# Altium PCB LimePSB-RPCM_1v2.PcbDoc (part 7 of 10)
Units mm, origin at the board's own origin, x right, y up, seen from the top; angles counter-clockwise.
Board outline 170 x 110 mm, 6 copper layers (Top, L2, L3, L4, L5, Bottom), stack 1.583 mm thick; 800 components, 483 nets, 3453 pads, 1534 vias.
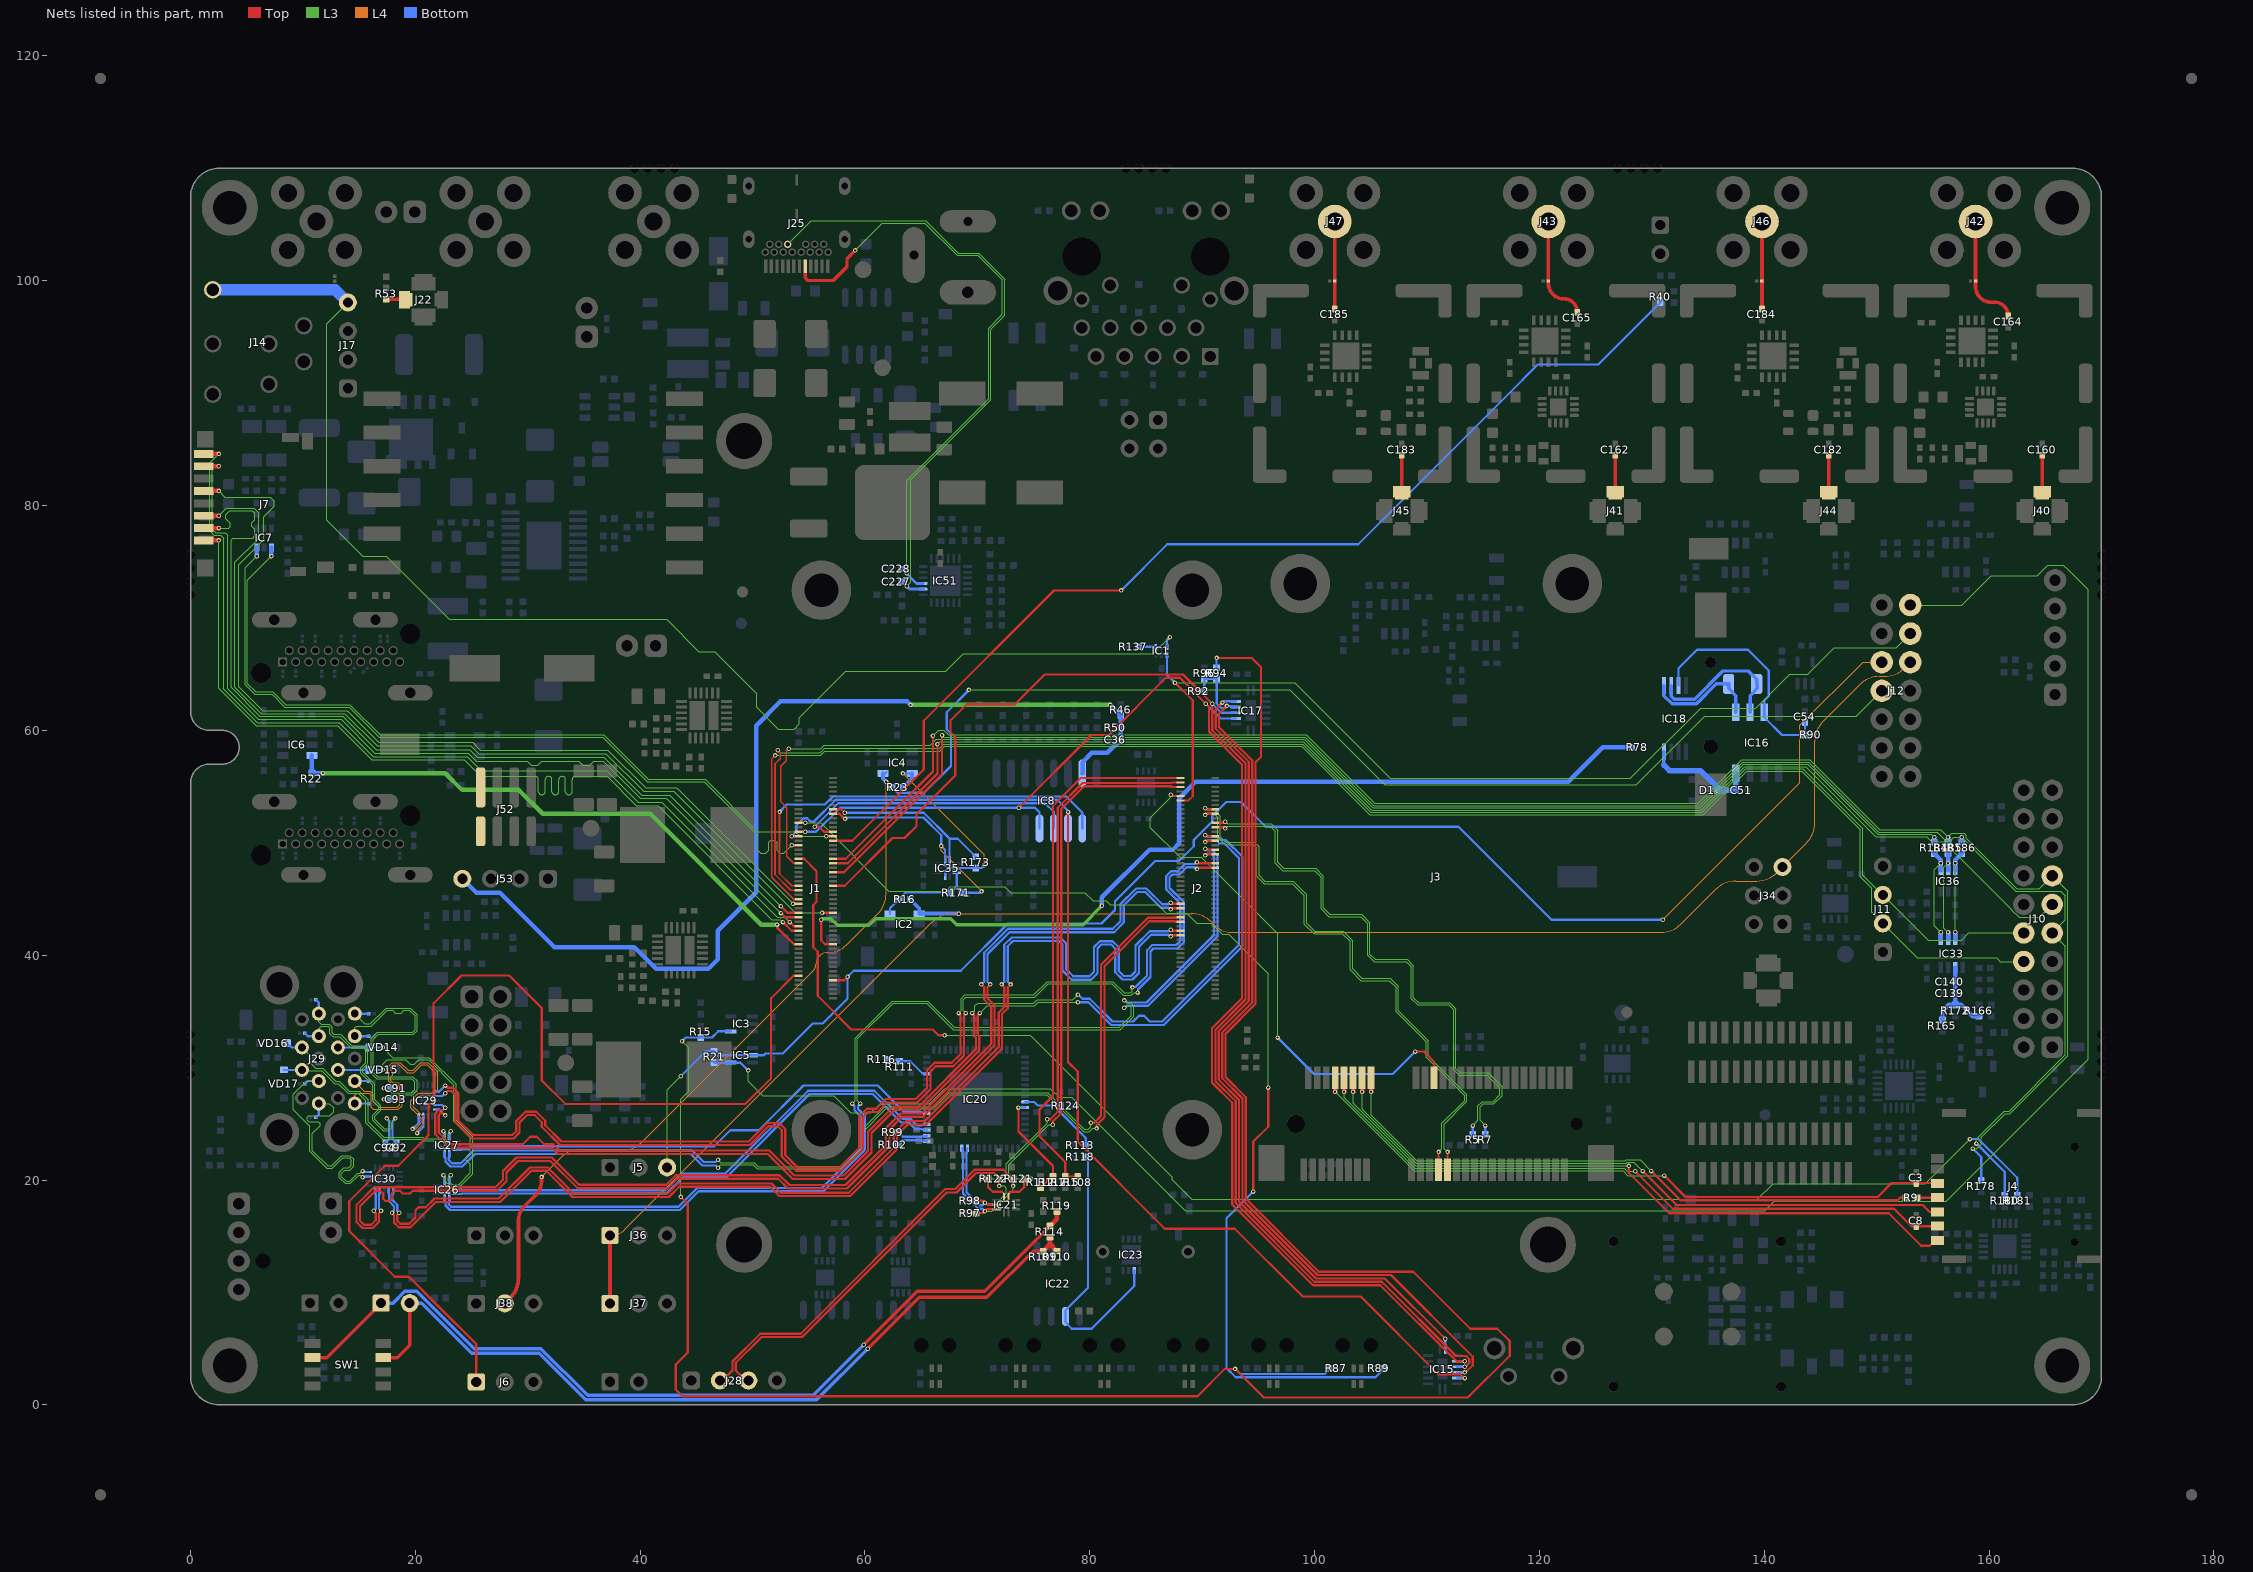
[diagram p11: the nets of this part, all layers, seen from the top]

## Via types
v1: diameter 0.4, hole 0.2, Top to Bottom, tented both sides, 1514 vias
v2: diameter 0.5, hole 0.2, Top to Bottom, tented both sides, 20 vias

## Nets (pads, with @x,y where several pads share a name; then routed paths per layer and width w, separated by ;. In a path a pad name is that pad's centre, name@x,y a point inside that pad or via, vN(x,y) a via of type N, cw(c..) or ccw(c..) an arc to the next point about the centre after c; other vN are vias at no path point) (continued)
RPI_PCIE_nRST: J2.9 J3.22 | length 46.9
  Top w0.2: v1(87.2,54.275) 87.3,54.175 J2.9@88.085,54.175 ; v1(108.95,31.425) 109.725,31.425 110.625,30.525 J3.22@110.625,29.1
  L3 w0.1: v1(87.2,54.275) 87.178,54.253 87.178,54.003 85.4,52.225 85.4,51.325 88.025,48.7 89.9,48.7 96.7,41.9 v1(96.7,32.675)
  Bottom w0.2: v1(96.7,32.675) 99.95,29.425 106.95,29.425 v1(108.95,31.425)
RPI_PCIE_RX_N: J2.18 J3.23 | length 49.6
  Top w0.2: v1(90.28,52.475) 90.38,52.575 J2.18@91.165,52.575 ; J3.23@111.025,20.9 v1(111.025,22.5)
  L3 w0.1: v1@90.289,52.475 90.489,52.675 91,52.675 91.4,52.275 91.4,50.475 91.975,49.9 92.034,49.841 94.559,49.841 94.854,49.546 94.854,47.021 95.5,46.375 98.025,46.375 99.1,45.3 99.1,42.775 99.95,41.925 102.475,41.925 103.175,41.225 103.175,38.7 104.125,37.75 106.65,37.75 107.25,37.15 107.25,34.975 109.925,32.3 109.925,30.925 113.35,27.5 113.35,27.075 111.325,25.05 111.325,22.8 v1(111.025,22.5)
RPI_PCIE_RX_P: J2.16 J3.25 | length 50
  Top w0.2: v1(90.28,53.075) 90.38,52.975 J2.16@91.165,52.975 ; J3.25@111.825,20.9 v1(111.825,22.5)
  L3 w0.1: v1@90.289,53.075 90.489,52.875 91.083,52.875 91.6,52.358 91.6,50.558 92.116,50.041 94.641,50.041 95.054,49.629 95.054,47.104 95.583,46.575 98.108,46.575 99.3,45.383 99.3,42.858 100.033,42.125 102.558,42.125 103.375,41.308 103.375,38.783 104.208,37.95 106.733,37.95 107.45,37.233 107.45,35.058 110.125,32.383 110.125,31.008 113.55,27.583 113.55,26.992 111.525,24.967 111.525,22.8 v1(111.825,22.5)
RPI_PCIE_TX_N: J2.24 R5.2 | length 50.5
  Top w0.2: J2.24@91.165,51.375 91.95,51.375 v1(92.05,51.275)
  L3 w0.1: v1@92.059,51.275 92.259,51.475 96.05,51.475 96.5,51.025 96.5,48.2 97.175,47.525 100,47.525 100.575,46.95 100.575,44.125 101.275,43.425 104.1,43.425 104.725,42.8 104.725,40.016 105.316,39.425 108.15,39.425 108.596,38.979 108.596,36.146 109.166,35.575 111.95,35.575 112.375,35.15 112.375,29.825 112.875,29.325 115.35,29.325 116.475,28.2 116.475,27.575 115.875,26.975 114.9,26.975 114.525,26.6 114.525,25.3 v1(114.075,24.85)
  Bottom w0.2: R5.2@114.075,24.075 v1(114.075,24.85)
RPI_PCIE_TX_P: J2.22 R7.2 | length 50.8
  Top w0.2: J2.22@91.165,51.775 91.95,51.775 v1(92.05,51.875)
  L3 w0.1: v1@92.059,51.875 92.259,51.675 96.133,51.675 96.7,51.108 96.7,50.258 96.7,48.283 97.258,47.725 100.083,47.725 100.775,47.033 100.775,44.208 101.358,43.625 104.183,43.625 104.925,42.883 104.925,40.099 105.399,39.625 108.233,39.625 108.796,39.062 108.796,36.229 109.249,35.775 112.033,35.775 112.575,35.233 112.575,29.908 112.958,29.525 115.433,29.525 116.675,28.283 116.675,27.492 115.958,26.775 114.983,26.775 114.725,26.517 114.725,25.3 v1(115.175,24.85)
  Bottom w0.2: R7.2@115.175,24.075 v1(115.175,24.85)
RPI_PIN11: IC1.4 J2.11 J12.11 | length 89
  Top w0.2: v1(87.575,64.25) 89.15,62.675 89.15,54.15 88.775,53.775 J2.11@88.085,53.775
  L3 w0.1: v1(87.575,64.25) 98.225,64.25 106.75,55.725 128.1,55.725 134.35,61.975 139.25,61.975 142.275,65 143.875,65 146.225,67.35 151.736,67.35 J12.11@152.996,68.611
  Bottom w0.2: IC1.4@86.875,66.712 86.875,64.95 v1(87.575,64.25)
RPI_PIN16: IC35.2 J1.16 R173.2 | length 16.4
  Top w0.2: J1.16@57.165,52.975 57.9,52.975 v1(58.2,52.675)
  Bottom w0.2: v1(58.2,52.675) 65.225,52.675 67.523,50.377 67.523,50.351 ; IC35.2@67.523,48.4 67.523,50.351 ; R173.2@69.863,48.75 68.261,50.351 67.523,50.351
RPI_PIN18: IC35.1 J1.18 R171.2 | length 20.3
  Top w0.2: J1.18@57.165,52.575 57.734,52.575 58.184,52.125 v1(58.225,52.125)
  L4 w0.1: v1(66.775,49.725) 66.775,49.275 v1(70.375,45.675)
  Bottom w0.2: v1(58.225,52.125) 58.35,52.25 65.2,52.25 66.775,50.675 v1(66.775,49.725) 67.123,49.377 IC35.1@67.123,48.35 ; R171.2@68.6,45.55 70.25,45.55 v1(70.375,45.675)
RPI_PWM0: IC7.3 J1.31 | length 70.9
  Top w0.2: v1(53.475,49.775) J1.31@54.085,49.775
  L3 w0.1: v1(5.9,75.5) 4.85,74.45 4.85,64.075 5.7,63.225 7.25,63.225 8.4,62.075 14.1,62.075 16.775,59.4 36.675,59.4 40.625,55.45 45.7,55.45 50.375,50.775 50.375,49.425 50.725,49.075 51.175,49.075 51.45,49.35 51.45,50.05 51.625,50.225 51.95,50.225 52.175,50 52.175,49.325 52.425,49.075 52.775,49.075 v1(53.475,49.775)
  Bottom w0.4: v1(5.9,75.5) IC7.3@5.9,76.275
RPI_PWM1: IC7.1 J1.28 | length 70.7
  Top w0.2: v1(56.555,50.575) J1.28@57.165,50.575
  L3 w0.1: v1(7.2,75.5) 5.05,73.35 5.05,64.158 5.783,63.425 7.333,63.425 8.483,62.275 14.183,62.275 16.858,59.6 36.758,59.6 36.875,59.483 40.708,55.65 45.783,55.65 50.433,51 53.8,51 54.225,50.575 v1(56.555,50.575)
  Bottom w0.4: v1(7.2,75.5) IC7.1@7.2,76.275
RPI_RF_SW_TDD: J1.30 R40.2 | length 96
  Top w0.2: J1.30@57.165,50.175 58.875,50.175 65.225,56.525 65.225,60.85 76.825,72.45 v1(82.8,72.45)
  Bottom w0.2: v1(82.8,72.45) 86.9,76.55 103.875,76.55 118.525,91.2 118.525,91.216 119.859,92.55 125.225,92.55 R40.2@130.75,98.075
RPI_RUN_PG: IC5.2 J1.92 J5.3 J12.10 R21.2 | length 146.3
  Top w0.2: J1.92@57.165,37.775 58.15,37.775 v1(58.45,38.075)
  L3 w0.1: J5.3@42.399,21.125 42.399,28.024 v1(43.6,29.225)
  L4 w0.1: v1(130.975,43.15) 143.175,55.35 143.175,60.45 148.793,66.068 J12.10@150.454,66.068
  Bottom w0.2: v1(43.6,29.225) 45.825,31.45 R21.2@46.575,31.45 46.925,31.1 IC5.2@49.99,31.1 51,31.1 51.16,31.26 52.685,31.26 55.35,33.925 56.25,33.925 58.45,36.125 v1(58.45,38.075) 59,38.625 68.525,38.625 72.725,42.825 81.05,42.825 82.25,44.025 82.25,44.8 85.825,48.375 87.925,48.375 89.25,49.7 89.25,50.25 90.9,51.9 90.9,52.375 92.15,53.625 93.45,53.625 95.65,51.425 112.8,51.425 121.075,43.15 v1(130.975,43.15)
RPI_RUN_PG_BUFF: IC5.4 J12.13 R21.1 | length 195.6
  L3 w0.1: v1(49.625,29.75) 49.625,28.8 50.925,27.5 57.225,27.5 58.75,25.975 60.525,25.975 61.35,26.8 65.775,26.8 67.1,28.125 76.5,28.125 77.275,27.35 78.4,27.35 88.475,17.275 140.058,17.275 140.908,18.125 156.206,18.125 168.775,30.694 168.775,72.558 167.033,74.3 166.622,74.711 165.211,74.711 164.275,73.775 160.209,73.775 157.588,71.154 J12.13@152.996,71.154
  Bottom w0.2: R21.1@46.575,30.45 46.585,30.44 IC5.4@48.06,30.44 48.935,30.44 v1(49.625,29.75)
RPI_SD_CLK: J1.57 J7.5 | length 82.3
  Top w0.2: v1(53.6,44.575) J1.57@54.085,44.575
  Top w0.4: J7.5@1.18,81.3 v1(2.5,81.3)
  L3 w0.1: v1(2.5,81.3) 3.063,80.738 7.113,80.738 7.45,80.4 7.45,79.925 6.525,79 6.525,76.975 4.3,74.75 4.3,63.875 6.425,61.75 13.925,61.75 16.75,58.925 25.1,58.925 25.775,58.25 37.125,58.25 40.475,54.9 43.275,54.9 v1(53.6,44.575)
RPI_SD_CMD: J1.62 J7.3 | length 83.2
  Top w0.2: v1(56.18,43.775) J1.62@57.165,43.775
  Top w0.4: J7.3@1.18,79.1 v1(2.5,79.1)
  L3 w0.1: v1(2.5,79.1) 3.175,79.775 5.65,79.775 6.05,79.375 6.05,77.05 3.95,74.95 3.95,63.85 6.3,61.5 13.725,61.5 16.6,58.625 24.95,58.625 25.65,57.925 36.95,57.925 40.3,54.575 42.975,54.575 53.775,43.775 v1(56.18,43.775)
RPI_SD_D0: J1.63 J7.7 | length 82.4
  Top w0.2: v1(52.525,43.75) 52.9,43.375 J1.63@54.085,43.375
  Top w0.4: J7.7@1.18,83.5 v1(2.5,83.5)
  L3 w0.1: v1(2.5,83.5) 2.125,83.5 1.95,83.325 1.95,77.875 2.225,77.6 3.075,77.6 3.3,77.375 3.3,63.7 6.025,60.975 13.4,60.975 16.4,57.975 24.7,57.975 25.425,57.25 29.975,57.25 30.325,56.9 30.9,56.9 31.25,57.25 34.55,57.25 34.9,56.9 35.5,56.9 35.85,57.25 36.7,57.25 40,53.95 42.325,53.95 v1(52.525,43.75)
RPI_SD_D1: J1.67 J7.8 | length 83.3
  Top w0.2: v1(53.3,42.95) 53.675,42.575 J1.67@54.085,42.575
  Top w0.4: J7.8@1.18,84.6 v1(2.5,84.6)
  L3 w0.1: v1(2.5,84.6) 1.7,83.8 1.7,77.771 2.121,77.35 2.675,77.35 2.95,77.075 2.95,63.675 5.925,60.7 13.225,60.7 16.25,57.675 24.6,57.675 25.85,56.425 37.025,56.425 39.825,53.625 41.925,53.625 52.175,43.375 52.875,43.375 v1(53.3,42.95)
RPI_SD_D2: J1.69 J7.1 | length 83.3
  Top w0.2: v1(52.7,42.95) 53.475,42.175 J1.69@54.085,42.175
  Top w0.4: J7.1@1.18,76.9 v1(2.5,76.9)
  L3 w0.1: v1(2.5,76.9) 2.5,63.75 5.825,60.425 13.075,60.425 16.125,57.375 24.35,57.375 25.825,55.9 30.7,55.9 cw(c30.7,55.65) 30.95,55.65 30.95,54.556 ccw(c31.22,54.556) 31.22,54.286 31.28,54.286 ccw(c31.28,54.556) 31.55,54.556 31.55,55.63 cw(c31.82,55.63) 31.82,55.9 31.88,55.9 cw(c31.88,55.63) 32.15,55.63 32.15,54.556 ccw(c32.42,54.556) 32.42,54.286 32.48,54.286 ccw(c32.48,54.556) 32.75,54.556 32.75,55.63 cw(c33.02,55.63) 33.02,55.9 33.08,55.9 cw(c33.08,55.63) 33.35,55.63 33.35,54.556 ccw(c33.62,54.556) 33.62,54.286 33.68,54.286 ccw(c33.68,54.556) 33.95,54.556 33.95,55.63 cw(c34.22,55.63) 34.22,55.9 34.25,55.9 37.05,55.9 39.65,53.3 41.6,53.3 51.725,43.175 52.475,43.175 v1(52.7,42.95)
RPI_SD_D3: J1.61 J7.2 | length 82.8
  Top w0.2: v1(52.525,44.35) 53.1,43.775 J1.61@54.085,43.775
  Top w0.4: J7.2@1.18,78 v1(2.5,78)
  L3 w0.1: v1(2.5,78) 3.4,78 3.525,78.125 3.525,78.45 3.125,78.85 3.125,79.175 3.475,79.525 5.5,79.525 5.725,79.3 5.725,78.762 5.45,78.487 5.45,78.163 5.725,77.887 5.725,77.3 5.525,77.1 3.775,77.1 3.6,76.925 3.6,63.825 6.175,61.25 13.55,61.25 16.5,58.3 24.825,58.3 25.525,57.6 36.775,57.6 40.125,54.25 42.625,54.25 v1(52.525,44.35)
RPI_SD_PWR_ON: IC6.3 J1.75 R22.1 | length 51.3
  Top w0.2: v1(52.175,42.725) 52.175,42.475 53.675,40.975 J1.75@54.085,40.975
  L3 w0.4: v1(11.775,56.2) 22.65,56.2 24.15,54.7 29.2,54.7 31.325,52.575 40.925,52.575 50.775,42.725 v1(52.175,42.725)
  Bottom w0.4: IC6.3@10.8,57.775 R22.1@10.8,56.2 v1(11.775,56.2)
RPI_SPI0_MISO: J1.40 J10.11 | length 124.6
  Top w0.2: J1.40@57.165,48.175 58.456,48.175 66.45,56.169 v1(66.45,58.775)
  L3 w0.1: v1(66.45,58.775) 66.65,58.975 99.006,58.975 105.081,52.9 134.391,52.9 138.216,56.725 138.266,56.775 143.675,56.775 149.925,50.525 154.475,50.525 154.9,50.1 155.95,50.1 161.98,44.07 161.98,44.064 162.669,43.375 164.475,43.375 J10.11@165.62,44.52
RPI_SPI0_MOSI: J1.44 J10.9 R180.1 R186.2 | length 158.8
  Top w0.2: J1.44@57.165,47.375 58.126,47.375 66.852,56.101 v1(66.852,59.575)
  L3 w0.1: v1(66.852,59.575) 67.027,59.4 99.155,59.4 105.163,53.392 105.255,53.3 134.225,53.3 138.1,57.175 143.953,57.175 150.178,50.95 155.383,50.95 156.184,50.149 156.494,50.149 156.844,50.499 v1(157.574,50.499) 162.373,45.7 166.375,45.7 166.8,45.275 166.8,43.16 J10.9@165.62,41.98 166.8,40.8 166.8,31.125 161.775,26.1 161.342,26.1 158.875,23.633 v1(158.875,23.25)
  Bottom w0.2: v1(158.875,23.25) 161.4,20.725 R180.1@161.4,18.65
  Bottom w0.4: R186.2@157.574,50.049 v1(157.574,50.499)
RPI_SPI0_MOSI_R: IC33.7 IC36.3 R186.1 | length 8.5
  L3 w0.1: v1(156.999,42.035) v1(156.999,48.185)
  Bottom w0.4: IC33.7@156.999,41.399 v1(156.999,42.035) ; IC36.3@156.999,47.549 156.999,48.474 R186.1@157.574,49.049
RPI_SPI0_SCLK: J1.38 J10.13 R178.1 R185.2 | length 157.5
  Top w0.2: J1.38@57.165,48.575 58.291,48.575 66.05,56.334 v1(66.05,59.525)
  L3 w0.1: v1(66.05,59.525) 66.55,60.025 67,60.025 67.425,59.6 99.238,59.6 105.338,53.5 134.142,53.5 138.017,57.375 144.036,57.375 150.261,51.15 155.698,51.15 v1(156.349,50.499) 156.699,50.85 157.775,50.85 157.975,50.65 157.975,50.4 162.475,45.9 164.46,45.9 J10.13@165.62,47.06 167,45.68 167,31.042 161.858,25.9 161.425,25.9 159.325,23.8 159.325,23.205 158.92,22.8 v1(158.55,22.8)
  Bottom w0.2: v1(158.55,22.8) 159.3,22.05 R178.1@159.3,19.95
  Bottom w0.4: R185.2@156.349,50.049 v1(156.349,50.499)
RPI_SPI0_SCLK_R: IC33.6 IC36.2 R185.1 | length 8.6
  L3 w0.1: v1(156.349,42.035) 155.975,42.409 155.975,47.811 v1(156.349,48.185)
  Bottom w0.4: IC33.6@156.349,41.399 v1(156.349,42.035) ; IC36.2@156.349,47.549 R185.1@156.349,49.049
RPI_SPI0_SS0: J1.39 R184.2 | length 120.9
  Top w0.15: v1(53.225,58.375) 53,58.15 53,57.3 52.5,56.8 52.5,53.675 53.05,53.125 53.05,48.8 53.675,48.175 J1.39@54.085,48.175
  L3 w0.1: v1(53.225,58.375) 56.075,58.375 56.375,58.675 65.8,58.675 66.325,59.2 99.073,59.2 105.173,53.1 134.308,53.1 138.183,56.975 143.87,56.975 150.095,50.75 154.873,50.75 v1(155.124,50.499)
  Bottom w0.4: R184.2@155.124,50.049 v1(155.124,50.499)
RPI_SPI0_SS0_R: IC33.5 IC36.1 R184.1 | length 9
  L3 w0.1: v1(155.699,42.035) 155.114,42.62 155.114,47.6 v1(155.699,48.185)
  Bottom w0.4: R184.1@155.124,49.049 155.699,48.474 IC36.1@155.699,47.549 ; IC33.5@155.699,41.399 v1(155.699,42.035)
RPI_SPI0_SS1: J1.37 R181.1 | length 133
  Top w0.2: J1.37@54.085,48.575 54.599,48.575 55.695,47.479 55.695,44.746 55.4,44.451 55.4,40.701 55.8,40.301 55.8,36.383 58.783,33.4 66.025,33.4 66.55,32.875 v1(67.075,32.875)
  L3 w0.1: v1(67.075,32.875) 74.696,32.875 87.338,20.234 87.338,20.012 89.075,18.275 139.4,18.275 140.8,19.675 154.325,19.675 v1(158.3,23.65)
  Bottom w0.2: v1(158.3,23.65) 159.05,23.65 162.5,20.2 R181.1@162.5,18.65
RPI_SPI1_MISO: IC8.12 J1.26 | length 25.8
  Top w0.2: v1(55.525,51.425) 55.9,51.425 56.35,50.975 J1.26@57.165,50.975
  Bottom w0.2: v1(55.525,51.425) 57.625,53.525 76.025,53.525 76.795,52.755 IC8.12@76.795,51.275
RPI_SPI1_MOSI: IC8.11 IC15.14 J1.27 | length 102.6
  Top w0.2: v1(53.475,50.575) J1.27@54.085,50.575 ; v1(78.065,52.735) 78.065,30.51 78.925,29.65 78.925,23.425 86.675,15.675 92.9,15.675 98.925,9.65 104.075,9.65 111.007,2.718 112.966,2.718 113.2,2.484 113.212,2.484 113.312,2.384 v1(113.366,2.384)
  Bottom w0.2: v1(53.475,50.575) 53.875,50.975 53.875,51.521 54.529,52.175 54.875,52.175 55.15,51.9 55.475,51.9 57.4,53.825 77.1,53.825 78.065,52.86 v1(78.065,52.735) IC8.11@78.065,51.275 ; IC15.14@112.675,2.384 v1(113.366,2.384)
RPI_SPI1_SCLK: IC8.13 IC15.11 IC17.11 J1.25 | length 124.5
  Top w0.2: J1.25@54.085,50.975 v1(54.695,50.975) ; v1(73.675,53.125) 80.15,59.6 81.675,59.6 86.75,64.675 88.025,64.675 v1(90.325,62.375) 90.6,62.1 90.6,59.9 93.55,56.95 93.55,36.175 90.875,33.5 90.875,28.675 92.673,26.877 92.673,17.85 92.673,17.825 ; 92.675,17.825 99.85,10.65 105.849,10.65 112.615,3.884 v1(113.366,3.884)
  Bottom w0.2: v1(54.695,50.975) 55.65,50.975 57.8,53.125 v1(73.675,53.125) 75.125,53.125 75.525,52.725 IC8.13@75.525,51.275 ; v1(90.325,62.375) 91.63,61.07 IC17.11@93.014,61.07 ; IC15.11@112.675,3.884 v1(113.366,3.884)
RPI_SPI1_SS0: IC8.10 J1.49 | length 37.1
  Top w0.15: v1(52.4,52.75) 52.4,47.275 53.5,46.175 J1.49@54.085,46.175
  Bottom w0.2: v1(52.4,52.75) 53.05,53.4 56.425,53.4 57.15,54.125 77.9,54.125 79.333,52.692 IC8.10@79.333,51.277 IC8.10@79.335,51.275
RPI_SPI1_SS1: IC15.12 IC17.12 J1.50 | length 124.7
  Top w0.2: J1.50@57.165,46.175 58.2,46.175 62.45,50.425 63.525,50.425 64.575,51.475 64.575,52.548 68.025,55.998 68.025,59.4 67.619,59.806 67.619,60.894 69.05,62.325 73.35,62.325 76,64.975 88.3,64.975 v1(90.9,62.375) 90.9,60.024 93.85,57.074 93.85,36.051 91.175,33.376 91.175,28.799 92.973,27.001 92.973,26.078 92.973,17.974 ; 92.975,17.949 99.974,10.95 105.974,10.95 112.574,4.35 113.466,4.35 113.766,4.05 113.766,3.718 113.532,3.484 113.52,3.484 113.42,3.384 v1(113.366,3.384)
  Bottom w0.2: v1(90.9,62.375) 91.705,61.57 IC17.12@93.014,61.57 ; IC15.12@112.675,3.384 v1(113.366,3.384)
RPI_STATUS_LED_G: IC3.4 R15.1 R87.1 R94.2 | length 208.3
  Top w0.2: v1(43.6,18.5) 44.225,17.875 44.225,4.65 43.175,3.6 43.175,1.375 43.775,0.775 89.575,0.775 92,3.2 v1(92.925,3.2) 95.475,0.65 113.625,0.65 117.35,4.375 117.35,5.675 116.25,6.775 113.85,6.775 108.775,11.85 100.372,11.85 93.875,18.347 93.875,26.451 93.875,27.372 92.075,29.172 92.075,33.001 94.75,35.676 94.75,57.175 95.225,57.65 95.225,65.625 94.4,66.45 v1(91.275,66.45)
  L3 w0.1: v1(43.6,18.5) 43.6,27.175 44.325,27.9 44.325,31.75 v1(43.725,32.35)
  Bottom w0.2: v1(43.725,32.35) 44.05,32.675 R15.1@45.4,32.675 46.4,32.675 46.955,33.23 IC3.4@48.06,33.23 ; R94.2@91.275,65.575 v1(91.275,66.45) ; v1(92.925,3.2) 93.375,2.75 100.91,2.75 R87.1@101.41,3.25
RPI_STATUS_LED_R: J1.21 R89.1 | length 99
  Top w0.2: J1.21@54.085,51.775 v1(54.695,51.775) ; v1(94.55,18.975) 94.55,23.425 95.875,24.75 v1@95.875,28.213
  L3 w0.1: v1(54.695,51.775) 56.045,51.775 62.12,45.7 67.2,45.7 67.575,46.075 72.45,46.075 72.95,45.575 79.55,45.575 80.3,44.825 81.45,44.825 81.8,44.475 86.05,44.475 86.8,43.725 88.625,43.725 89.525,42.825 90.825,42.825 91.8,41.85 92.375,41.85 95.875,38.35 v1(95.875,28.225) v1@95.875,28.2
  Bottom w0.2: v1(94.55,18.975) 92.166,16.591 92.166,3.276 92.992,2.45 105.41,2.45 R89.1@106.21,3.25
RPI_SYNC_IN: IC4.4 J12.8 J38.2 R23.1 | length 168.2
  Top w0.325: J38.2@27.959,9.025 28.431,9.497 ccw(c26.635,11.293) 29.175,11.293 29.175,16.425 cw(c30.925,16.425) 29.688,17.663 30.725,18.7 ccw(c29.518,19.907) 31.225,19.907 v1(31.225,20.275)
  L3 w0.1: v1(69.25,63.6) 97.8,63.6 106.225,55.175 128.6,55.175 134.7,61.275 148.204,61.275 J12.8@150.454,63.525
  L4 w0.1: v1(31.225,20.275) 32.931,21.981 cw(c34.727,20.185) 34.727,22.725 38.66,22.725 ccw(c38.66,24.753) 40.094,23.319 55.377,38.602 ccw(c54.718,39.261) 55.65,39.261 cw(c56.589,39.261) 55.925,39.925 cw(c56.649,39.201) 56.649,40.225 ccw(c56.65,42.7) 58.4,40.95 61.131,43.681 ccw(c59.335,45.477) 61.875,45.477 v1(61.875,55.425)
  Bottom w0.2: IC4.4@61.6,56.175 61.8,56.175 61.925,56.3 IC4.4@61.925,56.305 ; R23.1@62.4,54.953 62.9,54.453 65.278,54.453 67.652,56.827 67.652,59.698 67.275,60.075 67.275,61.625 v1(69.25,63.6)
  Bottom w0.35: IC4.4@61.6,56.175 61.6,55.703 R23.1@62.4,54.903
RPI_SYNC_IN_LS: IC4.3 IC35.4 IC35.7 R23.2 R173.1 | length 17.7
  L4 w0.1: v1(63.375,56.175) 70.625,48.925 v1(70.625,48)
  Bottom w0.2: v1(63.375,56.175) IC4.3@64.2,56.175 ; IC35.7@67.123,47.1 67.133,47.11 67.133,47.508 67.375,47.75 IC35.4@68.173,47.75 R173.1@69.863,47.75 70.375,47.75 v1(70.625,48)
  Bottom w0.35: R23.2@63.4,54.903 64.2,55.703 IC4.3@64.2,56.175
RPI_SYNC_OUT: IC2.4 J12.9 J34.5 J36.1 J37.1 R16.1 | length 153
  Top w0.325: J37.1@37.319,9.025 J36.1@37.319,15.075
  L4 w0.1: J36.1@37.319,15.075 ccw(c37.319,17.021) 38.695,15.645 66.006,42.956 cw(c67.802,41.16) 67.802,43.7 v1(68.35,43.7) 89.023,43.7 cw(c89.023,41.16) 90.819,42.956 91.15,42.625 ccw(c92.599,44.074) 92.599,42.025 130.798,42.025 ccw(c130.798,44.565) 132.594,42.769 135.681,45.856 cw(c137.477,44.06) 137.477,46.6 139.323,46.6 ccw(c139.323,49.14) J34.5@141.119,47.344 ; J34.5@141.621,47.846 143.756,49.981 ccw(c141.96,51.777) 144.5,51.777 144.5,59.023 cw(c147.04,59.023) 145.244,60.819 148.481,64.056 cw(c150.277,62.26) 150.277,64.8 150.676,64.8 ccw(c150.676,67.34) 152.473,65.544 J12.9@152.996,66.068
  Bottom w0.35: R16.1@64.025,44.972 64.825,44.172 IC2.4@64.825,43.7 v1(68.35,43.7)
RPI_SYNC_OUT_LS: IC2.3 IC35.5 R16.2 R171.1 | length 8.5
  Bottom w0.2: IC2.3@62.225,43.7 62.225,44.172 R16.2@63.025,44.972 63.628,45.575 67.625,45.575 68.173,46.123 IC35.5@68.173,47.35
RPI_TVDAC: IC1.3 J14.1 J17.4 | length 120.7
  L3 w0.1: J17.4@14,98.064 12.125,96.189 12.125,78.675 15.3,75.5 17.4,75.5 23.025,69.875 42.35,69.875 45.225,67 46.625,67 50.35,63.275 50.35,62.05 52.275,60.125 53.7,60.125 54.15,60.575 54.15,61.125 58.3,65.275 67.2,65.275 68.725,66.8 85.631,66.8 v1(87.125,68.294)
  Bottom w0.2: IC1.3@86.875,67.437 86.875,68.044 v1(87.125,68.294)
  Bottom w1: J14.1@1.975,99.2 12.864,99.2 J17.4@14,98.064
RPI_UART0_RX: J1.51 J10.10 J11.3 | length 138.3
  Top w0.15: v1(52.25,58.225) 52.45,58.025 52.45,57.479 52,57.029 52,47.175 53.4,45.775 J1.51@54.085,45.775
  L3 w0.1: v1(52.25,58.225) 52.475,58 56.025,58 56.425,58.4 66.65,58.4 67.025,58.775 67.925,58.775 98.924,58.775 104.999,52.7 134.474,52.7 138.299,56.525 138.349,56.575 143.417,56.575 148.75,51.242 148.75,47.13 150.509,45.371 J11.3@150.55,45.371 154.571,41.35 157.55,41.35 158.18,41.98 J10.10@163.08,41.98
RPI_UART0_TX: J1.55 J10.8 J11.2 | length 140.4
  Top w0.15: v1(52.025,57.775) 51.7,57.45 51.7,46.925 53.65,44.975 J1.55@54.085,44.975
  L3 w0.1: v1(52.025,57.775) 56.083,57.775 56.433,58.125 66.658,58.125 67.108,58.575 67.842,58.575 98.841,58.575 104.916,52.5 134.556,52.5 138.264,56.208 138.381,56.325 138.431,56.375 143.334,56.375 148.55,51.159 148.55,47 149.575,45.975 149.575,43.804 J11.2@150.55,42.829 153.604,39.775 160.675,39.775 161.01,39.44 J10.8@163.08,39.44
RPI_USB3_D0_N: IC26.7 J2.36 | length 99.5
  Top w0.2: v1(90.28,48.875) 90.38,48.975 J2.36@91.165,48.975